# Altium PCB DiplomskiRad.PcbDoc
Units mm, origin at the board's own origin, x right, y up, seen from the top; angles counter-clockwise.
Board outline 159.38 x 99.69 mm, 2 copper layers (Top Layer, Bottom Layer); 90 components, 67 nets, 302 pads, 6 vias.
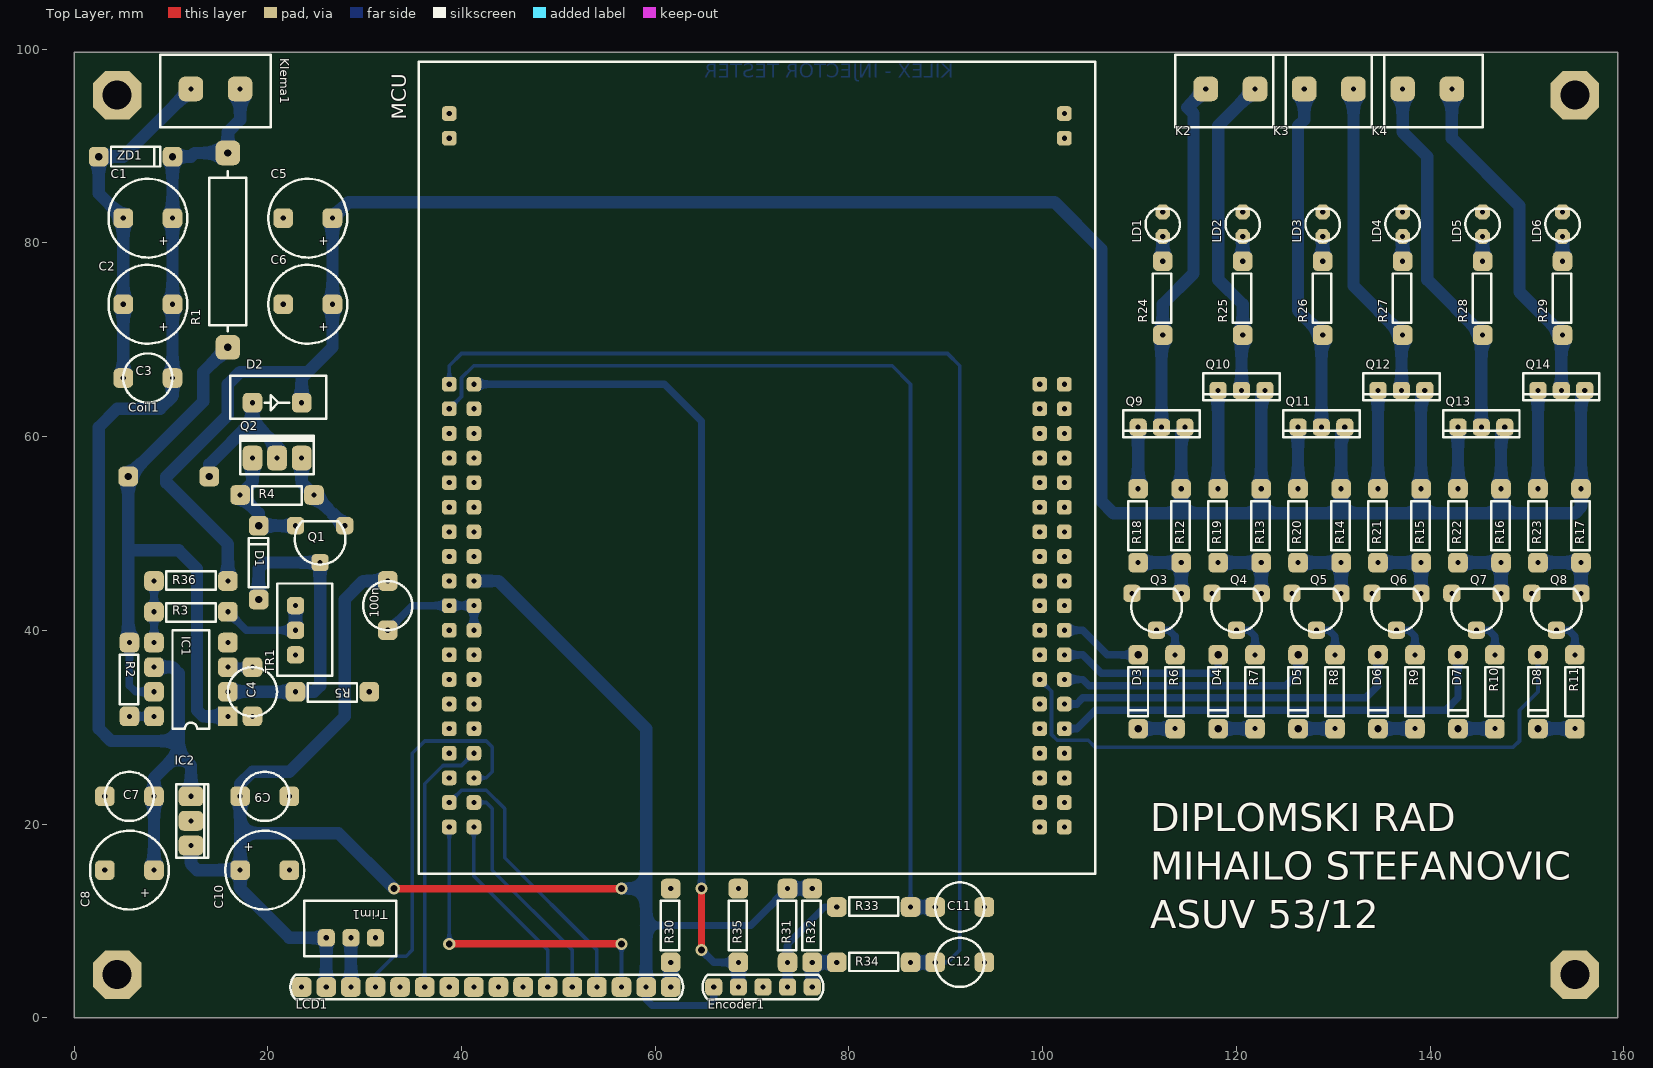
[diagram p0: Top Layer view]
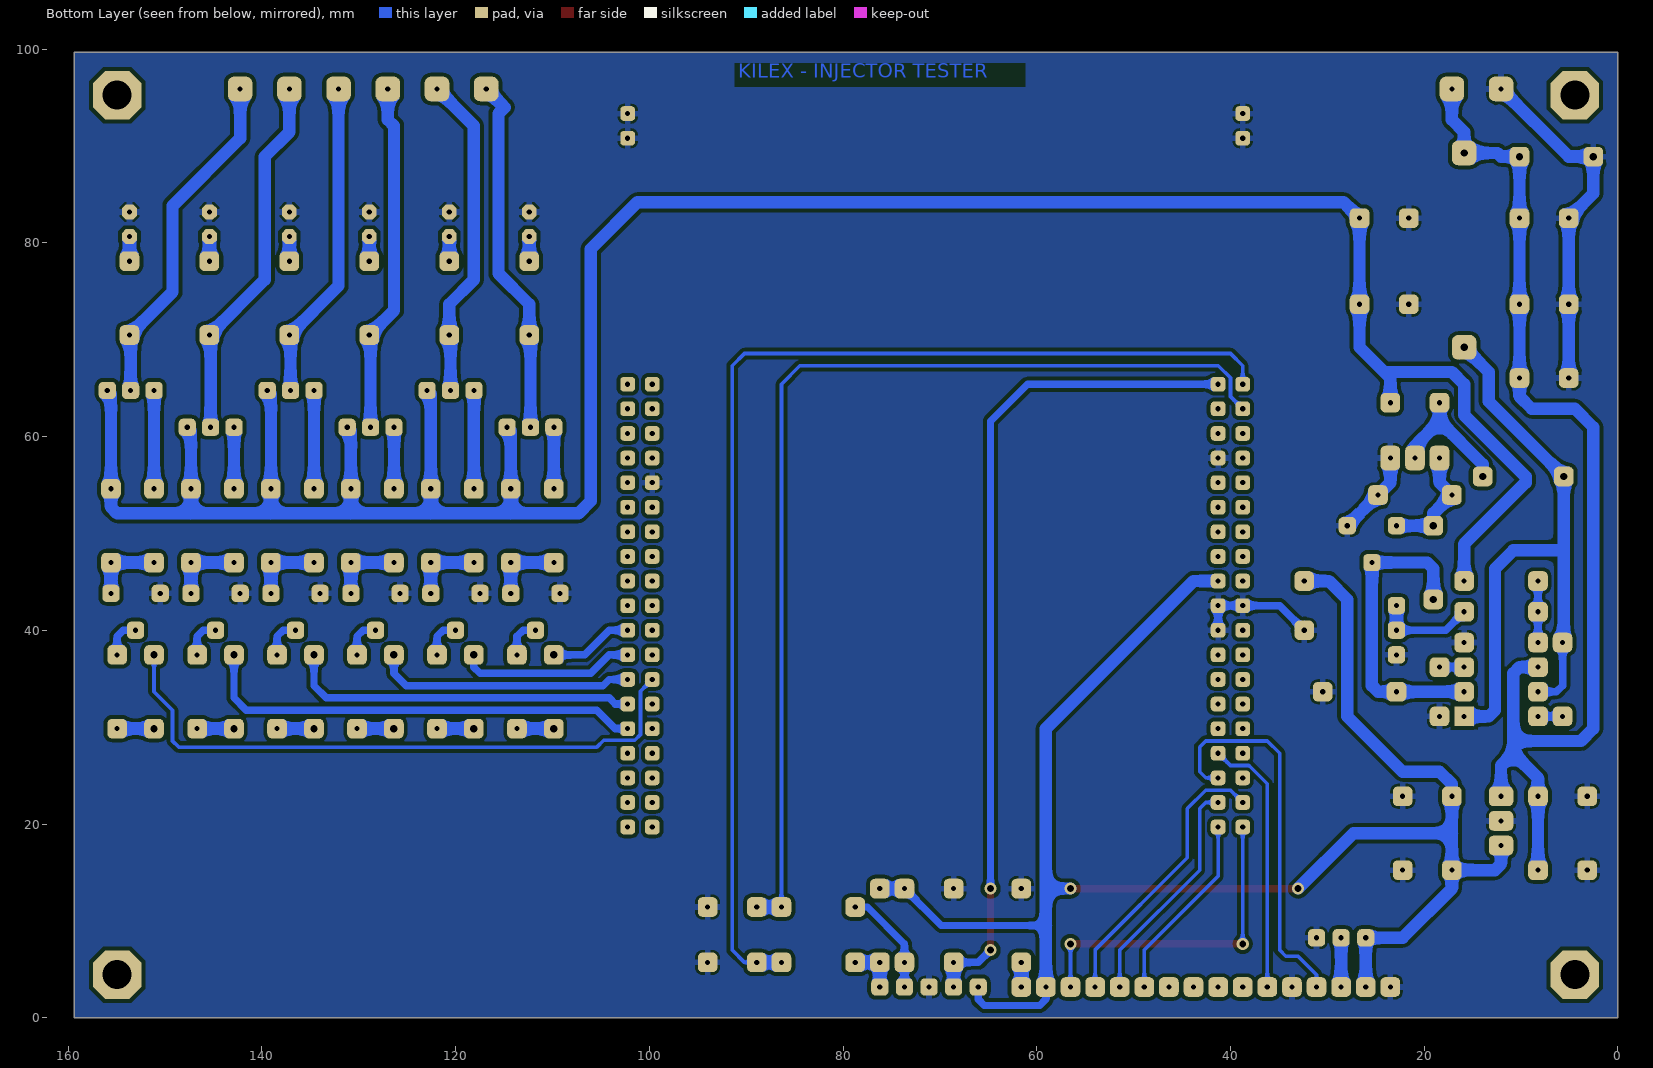
[diagram p1: Bottom Layer view, seen from below]

## Layer stack, top to bottom
Top Solder: solder mask 0.0102, Solder Resist, Dk 3.5
Top Layer: signal copper 0.0356
Dielectric 1: dielectric 0.32, FR-4, Dk 4.8
Bottom Layer: signal copper 0.0356
Bottom Solder: solder mask 0.0102, Solder Resist, Dk 3.5

## Board outline
0,0 159.385,0 159.385,99.695 0,99.695

## Design rules (kind name [scope] priority, off if disabled: settings)
Clearance [All] p1: gap=0.381 ignorepadtopadclearanceinfootprint=FALSE except(0: Arc-Hole Track-Hole SMDPad-Hole THPad-Hole Via-Hole Fill-Hole Poly-Hole Region-Hole Text-Hole)
PlaneConnect [All] p1: planeconnectstyle=Relief reliefexpansion=0.508 reliefentries=4 reliefconductorwidth=0.508 reliefairgap=0.254
PolygonConnect [All] p1: connectstyle=Relief reliefconductorwidth=0.635 reliefentries=4 polygonreliefangle="90 Angle" airgapwidth=0.254
RoutingVias [All] p1: holewidth=0.711 width=1.27 viastyle="Through Hole" minholewidth=0.711 minwidth=1.27 maxholewidth=0.711 maxwidth=1.27
SolderMaskExpansion [All] p1: expansion=0.102
Width [All] p1: maxlimit=1.27 minlimit=0.254 preferedwidth=0.635 toplayer_maxwidth=0.254 toplayer_prefwidth=0.254 bottomlayer_minwidth=0.508 minimp=50.000000 maximp=50.000000 favimp=50.000000
29 further rules are at their usual default settings.

## Components (designator, comment, footprint, x,y, rotation, side; value= is the part's Value field where it differs from the comment)
100n "C13" C1(ceramic) 32.385,40.005 r90 top
C1 "1000uF" C2(elektrolit) 10.16,82.55 r180 top
C2 "1000uF" C2(elektrolit) 10.16,73.66 r180 top
C3 "100nF" C1(ceramic) 5.08,66.04 r0 top
C4 "1nF" C1(ceramic) 18.415,31.115 r90 top
C5 "470uF" C2(elektrolit) 26.67,82.55 r180 top
C6 "470uF" C2(elektrolit) 26.67,73.66 r180 top
C7 "10nF" C1(ceramic) 8.255,22.86 r180 top
C8 "100uF" C2(elektrolit) 8.255,15.24 r180 top
C9 "100nF" C1(ceramic) 17.145,22.86 r0 top
C10 "1000uF" C2(elektrolit) 17.145,15.24 r0 top
C11 "100n" C1(ceramic) 93.98,11.43 r180 top
C12 "100n" C1(ceramic) 88.9,5.715 r0 top
Coil1 "100uH" Coil_14x8 5.588,55.88 r0 top
D1 "1n4148" D1(300milsa) 19.05,43.18 r90 top
D2 "MBR735" D2(TO220) 18.415,63.5 r0 top
D3 "1n4148" D1(300milsa) 109.855,37.465 r270 top
D4 "1n4148" D1(300milsa) 118.11,37.465 r270 top
D5 "1n4148" D1(300milsa) 126.365,37.465 r270 top
D6 "1n4148" D1(300milsa) 134.62,37.465 r270 top
D7 "1n4148" D1(300milsa) 142.875,37.465 r270 top
D8 "1n4148" D1(300milsa) 151.13,37.465 r270 top
Encoder1 "Encoder" Encoder 76.2,3.175 r180 top
IC1 "" DIP8 15.875,31.115 r180 top
IC2 "7805" TO220 12.065,22.86 r270 top
K2 "Klema" Klema 116.84,95.885 r0 top
K3 "Klema" Klema 127,95.885 r0 top
K4 "Klema" Klema 137.16,95.885 r0 top
Klema1 "+12 Napajanje" Klema 12.065,95.885 r0 top
LCD1 "LCD_Screen" LCD_Screen 23.495,3.175 r0 top
LD1 "LED" LED(3mm) 112.395,80.645 r90 top
LD2 "LED" LED(3mm) 120.65,80.645 r90 top
LD3 "LED" LED(3mm) 128.905,80.645 r90 top
LD4 "LED" LED(3mm) 137.16,80.645 r90 top
LD5 "LED" LED(3mm) 145.415,80.645 r90 top
LD6 "LED" LED(3mm) 153.67,80.645 r90 top
MCU "" Nucleo411 38.735,65.405 r0 top
Q1 "BC327" TO-92 27.94,50.8 r180 top
Q2 "N tip" "N-Channel MOSFET" 18.415,57.785 r0 top
Q3 "BC546" TO-92 114.3,43.815 r180 top
Q4 "BC546" TO-92 122.555,43.815 r180 top
Q5 "BC546" TO-92 130.81,43.815 r180 top
Q6 "BC546" TO-92 139.065,43.815 r180 top
Q7 "BC546" TO-92 147.32,43.815 r180 top
Q8 "BC546" TO-92 155.575,43.815 r180 top
Q9 "BD140" TO126 114.681,60.96 r180 top
Q10 "BD140" TO126 122.936,64.77 r180 top
Q11 "BD140" TO126 131.191,60.96 r180 top
Q12 "BD140" TO126 139.446,64.77 r180 top
Q13 "BD140" TO126 147.701,60.96 r180 top
Q14 "BD140" TO126 155.956,64.77 r180 top
R1 "0.1" R1(2W) 15.875,89.281 r270 top
R2 "47" R1(300milsa) 5.715,31.115 r90 top
R3 "1.2K" R1(300milsa) 15.875,41.91 r180 top
R4 "1K" R1(300milsa) 24.765,53.975 r180 top
R5 "1K" R1(300milsa) 30.48,33.655 r180 top
R6 "390" R1(300milsa) 113.665,29.845 r90 top
R7 "390" R1(300milsa) 121.92,29.845 r90 top
R8 "390" R1(300milsa) 130.175,29.845 r90 top
R9 "390" R1(300milsa) 138.43,29.845 r90 top
R10 "390" R1(300milsa) 146.685,29.845 r90 top
R11 "390" R1(300milsa) 154.94,29.845 r90 top
R12 "4k7" R1(300milsa) 114.3,46.99 r90 top
R13 "4k7" R1(300milsa) 122.555,46.99 r90 top
R14 "4k7" R1(300milsa) 130.81,46.99 r90 top
R15 "4k7" R1(300milsa) 139.065,46.99 r90 top
R16 "4k7" R1(300milsa) 147.32,46.99 r90 top
R17 "4k7" R1(300milsa) 155.575,46.99 r90 top
R18 "10K" R1(300milsa) 109.855,46.99 r90 top
R19 "10K" R1(300milsa) 118.11,46.99 r90 top
R20 "10K" R1(300milsa) 126.365,46.99 r90 top
R21 "10K" R1(300milsa) 134.62,46.99 r90 top
R22 "10K" R1(300milsa) 142.875,46.99 r90 top
R23 "10K" R1(300milsa) 151.13,46.99 r90 top
R24 "2k" R1(300milsa) 112.395,70.485 r90 top
R25 "2k" R1(300milsa) 120.65,70.485 r90 top
R26 "2k" R1(300milsa) 128.905,70.485 r90 top
R27 "2k" R1(300milsa) 137.16,70.485 r90 top
R28 "2k" R1(300milsa) 145.415,70.485 r90 top
R29 "2k" R1(300milsa) 153.67,70.485 r90 top
R30 "500" R1(300milsa) 61.595,5.715 r90 top
R31 "10k" R1(300milsa) 73.66,5.715 r90 top
R32 "10k" R1(300milsa) 76.2,5.715 r90 top
R33 "10k" R1(300milsa) 78.74,11.43 r0 top
R34 "10k" R1(300milsa) 78.74,5.715 r0 top
R35 "1K" R1(300milsa) 68.58,5.715 r90 top
R36 "22k" R1(300milsa) 8.255,45.085 r0 top
TR1 "TRIM" TRIM 22.86,37.465 r90 top
Trim1 "TRIM" TRIM 31.115,8.255 r180 top
ZD1 "ZD1" D1(300milsa) 2.54,88.9 r0 top

## Footprints (in the part's own frame and the unit in brackets; to place one, negate y for a bottom-side part, rotate by r counter-clockwise, add the part's x,y. Pads: shape width x height; smd on the part's side, far side on the other; paste and mask are expansions set on the pad)
C1(ceramic) [mil]
  rrect50% 80x80 hole 21: 1(0,0) 2(200,0)
  silkscreen extent 0,-100 200,100, body extent -37,-33 238,33, height 258
C2(elektrolit) [mil]
  rrect50% 80x80 hole 21: 1(0,0) 2(200,0)
  silkscreen extent -60,-160 260,160, body extent -57,-157 257,157, height 522
Coil_14x8 [mil]
  rrect50% 80x80 hole 30: 1(0,0) 2(330,0)
  body extent -22,-309 351,229, height 569
D1(300milsa) [mil]
  rrect50% 80x80 hole 30: 1(0,0) 2(300,0)
  silkscreen extent 50,-40 250,40, body extent -10,-47 318,47, height 100
D2(TO220) [mil]
  rrect50% 80x80 hole 21: 1(0,0) 2(200,0)
  silkscreen extent -90,-65 300,110, body extent -92,-67 302,110, height 769
DIP8 [mil]
  rect 80x80 hole 21: 1(0,0)
  rrect50% 80x80 hole 21: 2(0,-100) 3(0,-200) 4(0,-300) 5(300,-300) 6(300,-200) 7(300,-100) 8(300,0)
  silkscreen extent 75,-350 225,50
Encoder [mil]
  rrect50% 70x70 hole 21: 1(0,0) 2(100,0) 3(200,0) 4(300,0) 5(400,0)
  silkscreen extent -46,-50 446,50, body extent -50,-49 450,49, height 331
Klema [mil]
  rrect50% 100x100 hole 21: 1(0,0) 2(200,0)
  silkscreen extent -125,-155 325,140, body extent -122,-155 325,140, height 392
LCD_Screen [mil]
  rrect50% 80x80 hole 21: 1(0,0) 2(100,0) 3(200,0) 4(300,0) 5(400,0) 6(500,0) 7(600,0) 8(700,0) 9(800,0) 10(900,0) 11(1000,0) 12(1100,0) 13(1200,0) 14(1300,0) 15(1400,0) 16(1500,0)
  silkscreen extent -46,-50 1551,50, body extent -48,-45 1558,52, height 344
LED(3mm) [mil]
  oct 60x60 hole 21: 1(0,0) 2(100,0)
  silkscreen extent -20,-70 114,70, body extent -28,-60 128,77, height 212
"N-Channel MOSFET" [mil]
  rrect50% 80x100 hole 21: 1(0,0) 2(100,0) 3(200,0)
  silkscreen extent -50,-65 250,90
Nucleo411 [mil]
  rrect50% 60x60 hole 21: 1(0,0) 2(100,0) 3(0,-100) 4(100,-100) 5(0,-200) 6(100,-200) 7(0,-300) 8(100,-300) 9(0,-400) 10(100,-400) 11(0,-500) 12(100,-500) 13(0,-600) 14(100,-600) 15(0,-700) 16(100,-700) 17(0,-800) 18(100,-800) 19(0,-900) 20(100,-900) 21(0,-1000) 22(100,-1000) 23(0,-1100) 24(100,-1100) 25(0,-1200) 26(100,-1200) 27(0,-1300) 28(100,-1300) 29(0,-1400) 30(100,-1400) 31(0,-1500) 32(100,-1500) 33(0,-1600) 34(100,-1600) 35(0,-1700) 36(100,-1700) 37(0,-1800) 38(100,-1800) 39(2400,0) 40(2500,0) 41(2400,-100) 42(2500,-100) 43(2400,-200) 44(2500,-200) 45(2400,-300) 46(2500,-300) 47(2400,-400) 48(2500,-400) 49(2400,-500) 50(2500,-500) 51(2400,-600) 52(2500,-600) 53(2400,-700) 54(2500,-700) 55(2400,-800) 56(2500,-800) 57(2400,-900) 58(2500,-900) 59(2400,-1000) 60(2500,-1000) 61(2400,-1100) 62(2500,-1100) 63(2400,-1200) 64(2500,-1200) 65(2400,-1300) 66(2500,-1300) 67(2400,-1400) 68(2500,-1400) 69(2400,-1500) 70(2500,-1500) 71(2400,-1600) 72(2500,-1600) 73(2400,-1700) 74(2500,-1700) 75(2400,-1800) 76(2500,-1800) 77(0,1100) 78(0,1000) 79(2500,1100) 80(2500,1000)
  silkscreen extent -125,-1990 2625,1310, body extent -394,-1991 2623,3127, height 416
R1(2W) [mil]
  rrect50% 100x100 hole 30: 1(0,0) 2(790,0)
  silkscreen extent 75,-75 725,75, body extent -21,-108 811,108, height 208
R1(300milsa) [mil]
  rrect50% 80x80 hole 21: 1(0,0) 2(300,0)
  silkscreen extent 50,-35 250,40, body extent -12,-49 312,45, height 95
TO126 [mil]
  rrect50% 70x70 hole 21: 1(0,0) 2(95,0) 3(190,0)
  silkscreen extent -60,-70 250,40, body extent -59,-70 249,36, height 614
TO220 [mil]
  rrect50% 80x100 hole 21: 1(0,0) 2(100,0) 3(200,0)
  silkscreen extent -50,-60 250,70, body extent -95,-61 295,114, height 746
TO-92 [mil]
  rrect50% 70x70 hole 21: 1(100,150) 2(200,0) 3(0,0)
  silkscreen extent -3,-18 203,158, body extent -15,-9 205,159, height 385
TRIM [mil]
  rrect50% 70x70 hole 21: 1(0,0) 2(100,0) 3(200,0)
  silkscreen extent -85,-150 290,75, body extent -88,-165 288,75, height 465

## Part data
100n C3 C4 C7 C9 C11 C12: library part C1
C1 C2 C5 C6 C8 C10: library part C2
Coil1: library part Coil
D1 D3 D4 D5 D6 D7 D8: library part D1
D2: library part "Sotki Diode"
IC1: library part MC34063
Klema1: library part Klema
MCU: library part Nucleo_STM32F411RE
Q1: library part "Transistor PNP"
Q2: library part "N-Channel MOSFET"
Q3 Q4 Q5 Q6 Q7 Q8: library part "Transistor NPN"
R1 R2 R3 R4 R5 R6 R7 R8 R9 R10 R11 R12 R13 R14 R15 R16 R17 R18 R19 R20 R21 R22 R23 R24 R25 R26 R27 R28 R29 R30 R31 R32 R33 R34 R35 R36: library part R1

## Free pads (board coordinates)
  oct 5x5 hole 3: 0(4.445,4.445) 0(4.445,95.25) 0(154.94,4.445) 0(154.94,95.25)

## Via types
v1: diameter 1.27, hole 0.711, Top Layer to Bottom Layer, 6 vias

## Nets (pads, with @x,y where several pads share a name; then routed paths per layer and width w, separated by ;. In a path a pad name is that pad's centre, name@x,y a point inside that pad or via, vN(x,y) a via of type N, cw(c..) or ccw(c..) an arc to the next point about the centre after c; other vN are vias at no path point)
12V: C1.1 C2.1 C3.2 C7.1 C8.1 IC1.6 IC2.1 Klema1.2 R1.1 ZD1.2 | length 115.7
  Bottom Layer w1.27: C8.1 C7.1 8.255,24.765 10.795,27.305 ; IC1.6 10.16,36.195 10.795,35.56 10.795,28.575 ; IC2.1 12.065,26.035 10.795,27.305 ; Klema1.2 17.145,92.71 15.875,91.44 R1.1 12.446,89.281 12.065,88.9 ZD1.2 C1.1 C2.1 C3.2 10.16,64.135 8.89,62.865 4.445,62.865 2.54,60.96 2.54,29.845 3.81,28.575 10.795,28.575 ; 10.795,27.305 10.795,28.575
+5: 100n.2 C9.1 C10.1 Encoder1.5 IC2.3 LCD1.2 LCD1.15 MCU.18 R31.2 R32.2 Trim1.3 | length 188.9
  Top Layer w0.762: v1(33.02,13.335) v1(56.515,13.335)
  Bottom Layer w0.762: LCD1.15 59.055,1.905 59.69,1.27 65.405,1.27 66.04,1.905 Encoder1.5 ; 59.055,9.525 69.85,9.525 R31.2
  Bottom Layer w1.27: IC2.3 12.065,15.875 12.7,15.24 C10.1 ; LCD1.2 Trim1.3 22.225,8.255 17.145,13.335 C10.1 ; 100n.2 29.845,45.085 27.94,43.18 27.94,31.115 22.225,25.4 18.415,25.4 17.145,24.13 C9.1 17.145,19.05 ; v1(33.02,13.335) 27.305,19.05 17.145,19.05 ; MCU.18 43.815,45.085 59.055,29.845 59.055,13.335 ; v1(56.515,13.335) 59.055,13.335 ; LCD1.15 59.055,9.525 59.055,13.335 ; R31.2 R32.2 ; C10.1 17.145,19.05
+24V: C5.1 C6.1 D2.2 Q9.1 Q10.1 Q11.1 Q12.1 Q13.1 Q14.1 R12.2 R13.2 R14.2 R15.2 R16.2 R17.2 R36.2 | length 278.2
  Bottom Layer w1.27: R36.2 15.875,48.895 9.525,55.245 9.525,55.88 15.875,62.23 15.875,65.405 17.145,66.675 24.13,66.675 ; D2.2 23.495,66.04 24.13,66.675 ; Q9.1 114.3,60.579 R12.2 114.3,52.07 ; Q10.1 122.555,64.389 R13.2 122.555,52.07 ; Q11.1 130.81,60.579 R14.2 130.81,52.07 ; Q12.1 139.065,64.389 R15.2 139.065,52.07 ; Q13.1 147.32,60.579 R16.2 147.32,52.07 ; Q14.1 155.575,64.389 R17.2 155.575,52.705 154.94,52.07 147.32,52.07 ; 24.13,66.675 26.67,69.215 C6.1 C5.1 28.321,84.201 101.219,84.201 106.045,79.375 106.045,53.34 107.315,52.07 114.3,52.07 ; 114.3,52.07 122.555,52.07 ; 122.555,52.07 130.81,52.07 ; 130.81,52.07 139.065,52.07 ; 139.065,52.07 147.32,52.07
B1: K2.1 Q9.2 R24.1 | length 37.3
  Bottom Layer w1.27: Q9.2 112.268,70.358 R24.1 112.395,73.66 115.57,76.835 115.57,93.345 114.935,93.98 K2.1
B2: K2.2 Q10.2 R25.1 | length 33.8
  Bottom Layer w1.27: Q10.2 120.523,70.358 R25.1 120.65,73.66 118.11,76.2 118.11,92.075 K2.2
B3: K3.1 Q11.2 R26.1 | length 36.3
  Bottom Layer w1.27: K3.1 127,92.71 126.365,92.075 126.365,73.025 R26.1 128.778,70.358 Q11.2
B4: K3.2 Q12.2 R27.1 | length 33.3
  Bottom Layer w1.27: K3.2 132.08,75.565 R27.1 137.033,70.358 Q12.2
D4: LCD1.11 MCU.38 | length 19.7
  Bottom Layer w0.381: MCU.38 41.275,14.605 48.895,6.985 LCD1.11
D5: LCD1.12 MCU.36 | length 24
  Bottom Layer w0.381: MCU.36 42.545,22.225 43.18,21.59 43.18,15.24 51.435,6.985 LCD1.12
D6: LCD1.13 MCU.35 | length 29.4
  Bottom Layer w0.381: MCU.35 40.005,23.495 42.545,23.495 44.45,21.59 44.45,16.51 53.975,6.985 LCD1.13
D7: LCD1.14 MCU.37 | length 34.3
  Top Layer w0.762: v1(38.735,7.62) v1(56.515,7.62)
  Bottom Layer w0.381: v1(38.735,7.62) MCU.37 ; LCD1.14 v1(56.515,7.62)
EN: LCD1.6 MCU.32 | length 27.4
  Bottom Layer w0.381: LCD1.6 36.195,24.154 38.012,25.971 38.036,25.971 38.1,26.035 40.005,26.035 MCU.32
GND: 100n.1 C1.2 C2.2 C3.1 C4.1 C5.2 C6.2 C7.2 C8.2 C9.2 C10.2 C11.1 C12.2 Encoder1.3 IC1.4 IC2.2 Klema1.1 LCD1.1 LCD1.5 LD1.2 LD2.2 LD3.2 LD4.2 LD5.2 LD6.2 MCU.8 MCU.19 MCU.20 MCU.22 MCU.47 MCU.77 MCU.78 MCU.79 MCU.80 Q1.3 Q2.3 Q3.2 Q4.2 Q5.2 Q6.2 Q7.2 Q8.2 R4.1 R5.1 R30.2 R35.2 TR1.1 Trim1.1 ZD1.1 | length 57.6
  Bottom Layer w0.762: 100n.1 34.925,42.545 MCU.19 MCU.20 MCU.22
  Bottom Layer w1.27: C3.1 C2.2 C1.2 2.54,85.09 ZD1.1 5.08,88.9 Klema1.1 ; Q2.3 23.495,55.245 R4.1 Q1.3
INTA: C12.1 MCU.1 R34.2 | length 121.6
  Bottom Layer w0.381: MCU.1 38.735,67.31 40.005,68.58 90.17,68.58 91.44,67.31 91.44,6.985 90.17,5.715 C12.1
  Bottom Layer w1.27: R34.2 C12.1
INTB: C11.2 MCU.3 R33.2 | length 107.9
  Bottom Layer w0.381: MCU.3 40.005,64.135 40.005,66.064 41.251,67.31 84.455,67.31 86.36,65.405 R33.2
  Bottom Layer w1.27: R33.2 C11.2
NetC4_2: C4.2 IC1.3 | length 2.5
  Bottom Layer w0.762: IC1.3 C4.2
NetCoil1_1: Coil1.1 IC1.1 IC1.7 R1.2 R2.2 | length 68
  Bottom Layer w0.762: R2.2 5.715,34.29 6.35,33.655 IC1.7
  Bottom Layer w1.27: R2.2 5.588,38.862 5.588,48.26 ; IC1.1 13.335,31.115 12.7,31.75 12.7,46.355 10.795,48.26 5.588,48.26 ; R1.2 13.335,66.675 13.335,63.627 Coil1.1 5.588,48.26
NetCoil1_2: Coil1.2 D2.1 Q2.2 | length 14.3
  Bottom Layer w1.27: Coil1.2 13.97,57.15 18.415,61.595 ; D2.1 18.415,61.595 ; Q2.2 20.955,59.055 18.415,61.595
NetD1_1: D1.1 IC1.2 Q1.1 R5.2 | length 32.3
  Bottom Layer w1.27: IC1.2 R5.2 24.765,33.655 25.4,34.29 Q1.1 19.685,46.99 19.05,46.355 D1.1
NetD1_2: D1.2 Q1.2 Q2.1 R4.2 | length 12.1
  Bottom Layer w1.27: Q2.1 18.415,55.245 R4.2 19.05,52.07 D1.2 Q1.2
NetD3_2: D3.2 R6.1 | length 3.8
  Bottom Layer w1.27: D3.2 R6.1
NetD4_2: D4.2 R7.1 | length 3.8
  Bottom Layer w1.27: D4.2 R7.1
NetD5_2: D5.2 R8.1 | length 3.8
  Bottom Layer w1.27: D5.2 R8.1
NetD6_2: D6.2 R9.1 | length 3.8
  Bottom Layer w1.27: D6.2 R9.1
NetD7_2: D7.2 R10.1 | length 3.8
  Bottom Layer w1.27: D7.2 R10.1
NetD8_2: D8.2 R11.1 | length 3.8
  Bottom Layer w1.27: D8.2 R11.1
NetEncoder1_1: Encoder1.1 R32.1 R34.1 | length 5.1
  Bottom Layer w1.27: Encoder1.1 R32.1 R34.1
NetEncoder1_2: Encoder1.2 R31.1 R33.1 | length 11.1
  Bottom Layer w0.762: Encoder1.2 R31.1 73.66,7.62 77.47,11.43 R33.1
NetIC1_5: IC1.5 R3.2 R36.1 | length 6.3
  Bottom Layer w0.762: IC1.5 R3.2 R36.1
NetIC1_8: IC1.8 R2.1 | length 2.5
  Bottom Layer w0.762: R2.1 IC1.8
NetLCD1_3: LCD1.3 Trim1.2 | length 5.1
  Bottom Layer w1.27: LCD1.3 Trim1.2
NetLCD1_16: LCD1.16 R30.1 | length 2.5
  Bottom Layer w1.27: LCD1.16 R30.1
NetLD1_1: LD1.1 R24.2 | length 2.5
  Bottom Layer w1.27: R24.2 LD1.1
NetLD2_1: LD2.1 R25.2 | length 2.5
  Bottom Layer w1.27: R25.2 LD2.1
NetLD3_1: LD3.1 R26.2 | length 2.5
  Bottom Layer w1.27: R26.2 LD3.1
NetLD4_1: LD4.1 R27.2 | length 2.5
  Bottom Layer w1.27: R27.2 LD4.1
NetLD5_1: LD5.1 R28.2 | length 2.5
  Bottom Layer w1.27: R28.2 LD5.1
NetLD6_1: LD6.1 R29.2 | length 2.5
  Bottom Layer w1.27: R29.2 LD6.1
NetQ3_1: Q3.1 R6.2 | length 4.1
  Bottom Layer w0.762: Q3.1 113.03,40.005 113.665,39.37 R6.2
NetQ3_3: Q3.3 R12.1 R18.1 | length 7.6
  Bottom Layer w1.27: R18.1 R12.1 Q3.3
NetQ4_1: Q4.1 R7.2 | length 4.1
  Bottom Layer w0.762: Q4.1 121.285,40.005 121.92,39.37 R7.2
NetQ4_3: Q4.3 R13.1 R19.1 | length 7.6
  Bottom Layer w1.27: R19.1 R13.1 Q4.3
NetQ5_1: Q5.1 R8.2 | length 4.1
  Bottom Layer w0.762: Q5.1 129.54,40.005 130.175,39.37 R8.2
NetQ5_3: Q5.3 R14.1 R20.1 | length 7.6
  Bottom Layer w1.27: R20.1 R14.1 Q5.3
NetQ6_1: Q6.1 R9.2 | length 4.1
  Bottom Layer w0.762: Q6.1 137.795,40.005 138.43,39.37 R9.2
NetQ6_3: Q6.3 R15.1 R21.1 | length 7.6
  Bottom Layer w1.27: R21.1 R15.1 Q6.3
NetQ7_1: Q7.1 R10.2 | length 4.1
  Bottom Layer w0.762: Q7.1 146.05,40.005 146.685,39.37 R10.2
NetQ7_3: Q7.3 R16.1 R22.1 | length 7.6
  Bottom Layer w1.27: R22.1 R16.1 Q7.3
NetQ8_1: Q8.1 R11.2 | length 4.1
  Bottom Layer w0.762: Q8.1 154.305,40.005 154.94,39.37 R11.2
NetQ8_3: Q8.3 R17.1 R23.1 | length 7.6
  Bottom Layer w1.27: R23.1 R17.1 Q8.3
NetQ9_3: Q9.3 R18.2 | length 6.3
  Bottom Layer w1.27: R18.2 Q9.3
NetQ10_3: Q10.3 R19.2 | length 10.2
  Bottom Layer w1.27: R19.2 Q10.3
NetQ11_3: Q11.3 R20.2 | length 6.3
  Bottom Layer w1.27: R20.2 Q11.3
NetQ12_3: Q12.3 R21.2 | length 10.2
  Bottom Layer w1.27: R21.2 Q12.3
NetQ13_3: Q13.3 R22.2 | length 6.3
  Bottom Layer w1.27: R22.2 Q13.3
NetQ14_3: Q14.3 R23.2 | length 10.2
  Bottom Layer w1.27: R23.2 Q14.3
NetR3_1: R3.1 TR1.2 TR1.3 | length 10.3
  Bottom Layer w0.762: R3.1 17.78,40.005 TR1.2
  Bottom Layer w1.27: TR1.2 TR1.3
P1: D3.1 MCU.60 | length 8.7
  Bottom Layer w0.762: MCU.60 104.14,40.005 106.68,37.465 D3.1
P2: D4.1 MCU.62 | length 18.2
  Bottom Layer w0.762: MCU.62 104.14,37.465 106.045,35.56 117.475,35.56 118.11,36.195 D4.1
P3: D5.1 MCU.64 | length 26.8
  Bottom Layer w0.762: MCU.64 104.14,34.925 104.775,34.29 125.095,34.29 126.365,35.56 D5.1
P4: D6.1 MCU.66 | length 36.3
  Bottom Layer w0.762: MCU.66 103.505,32.385 104.14,33.02 133.35,33.02 134.62,34.29 D6.1
POWER: K4.2 Q14.2 R29.1 | length 35.9
  Bottom Layer w1.27: K4.2 142.24,90.805 149.225,83.82 149.225,74.93 R29.1 153.543,70.358 Q14.2
PUMPA: K4.1 Q13.2 R28.1 | length 38.4
  Bottom Layer w1.27: K4.1 137.16,91.44 139.7,88.9 139.7,76.2 R28.1 145.288,70.358 Q13.2
PUN: D7.1 MCU.68 | length 46.4
  Bottom Layer w0.762: MCU.68 103.505,29.845 105.41,31.75 141.605,31.75 142.875,33.02 D7.1
PWR: D8.1 MCU.63 | length 65
  Bottom Layer w0.381: MCU.63 100.901,33.718 100.901,29.249 101.512,28.639 104.712,28.639 105.41,27.94 148.59,27.94 149.225,28.575 149.225,31.75 151.13,33.655 D8.1
RS: LCD1.4 MCU.34 | length 40.2
  Bottom Layer w0.381: LCD1.4 31.115,4.445 33.02,6.35 34.29,6.35 34.925,6.985 34.925,27.305 36.195,28.575 42.545,28.575 43.18,27.94 43.18,25.4 42.545,24.765 MCU.34
TAS: Encoder1.4 MCU.2 R35.1 | length 86.6
  Top Layer w0.762: v1(64.77,6.985) v1(64.77,13.335)
  Bottom Layer w0.762: MCU.2 60.96,65.405 64.77,61.595 v1(64.77,13.335) ; v1(64.77,6.985) 66.04,5.715 R35.1
  Bottom Layer w1.27: Encoder1.4 R35.1
pads on no net: LCD1.7 LCD1.8 LCD1.9 LCD1.10 MCU.4 MCU.5 MCU.6 MCU.7 MCU.9 MCU.10 MCU.11 MCU.12 MCU.13 MCU.14 MCU.15 MCU.16 MCU.17 MCU.21 MCU.23 MCU.24 MCU.25 MCU.26 MCU.27 MCU.28 MCU.29 MCU.30 MCU.31 MCU.33 MCU.39 MCU.40 MCU.41 MCU.42 MCU.43 MCU.44 MCU.45 MCU.46 MCU.48 MCU.49 MCU.50 MCU.51 MCU.52 MCU.53 MCU.54 MCU.55 MCU.56 MCU.57 MCU.58 MCU.59 MCU.61 MCU.65 MCU.67 MCU.69 MCU.70 MCU.71 MCU.72 MCU.73 MCU.74 MCU.75 MCU.76

## Polygon pours and split planes (outlines as drawn)
GND on Bottom Layer "GND" (solid, pour order 16): 159.385,99.695 159.385,0 0,0 0,99.695

## Other copper
Bottom Layer:
  text "KILEX - INJECTOR TESTER" at 90.805,96.52 h2.54

## Silkscreen, mask and mechanical layers (free items; w line width, h text height)
Top Overlay:
  text "DIPLOMSKI RAD / MIHAILO STEFANOVIC  / ASUV 53/12" at 111.125,8.255 h5
Mechanical 1:
  the board outline again, w0.254

## Text inside footprints (layer, text, board x,y; h text height)
C1: Top Overlay "+" at 9.779,80.899 h1.52 r180
C2: Top Overlay "+" at 9.779,72.009 h1.52 r180
C5: Top Overlay "+" at 26.289,80.899 h1.52 r180
C6: Top Overlay "+" at 26.289,72.009 h1.52 r180
C8: Top Overlay "+" at 7.874,13.589 h1.52 r180
C10: Top Overlay "+" at 17.526,16.891 h1.52